# Altium PCB PROC114E3_BRD.PcbDoc (part 13 of 18) (continued)
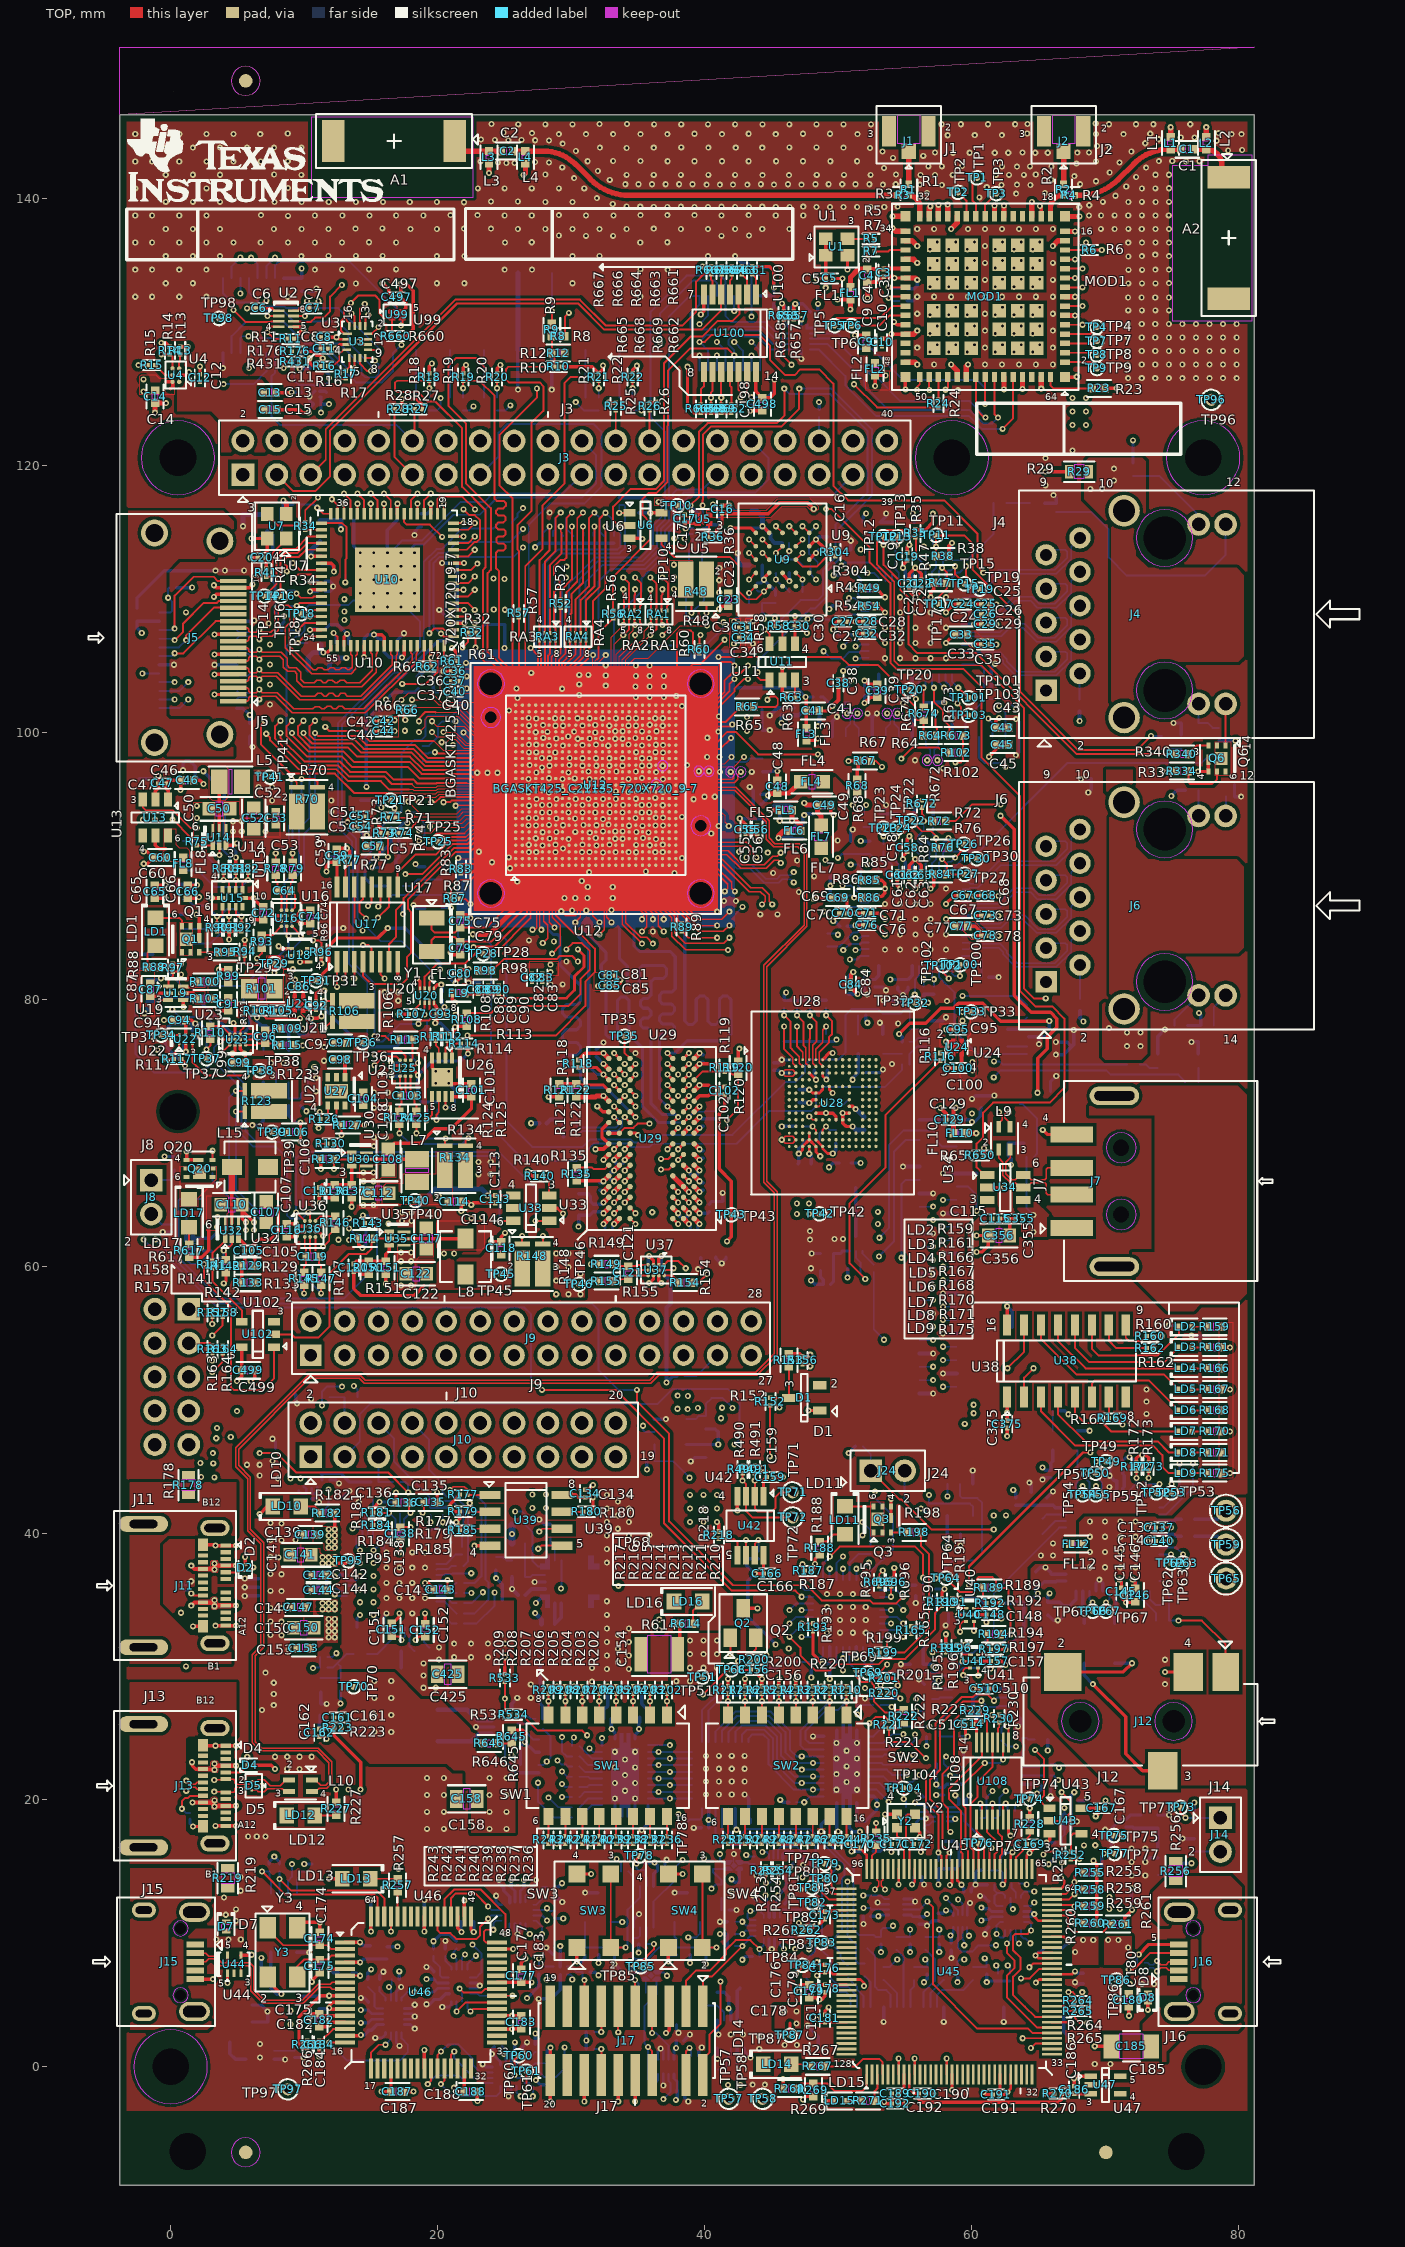
[diagram p0: TOP view]
## Nets (pads, with @x,y where several pads share a name; then routed paths per layer and width w, separated by ;. In a path a pad name is that pad's centre, name@x,y a point inside that pad or via, vN(x,y) a via of type N, cw(c..) or ccw(c..) an arc to the next point about the centre after c; other vN are vias at no path point) (continued)
  TOP w0.305: v1(49.973,132.443) 50.941,132.443
  TOP w0.381: v1(50.941,131.709) 50.941,132.443
  L06_PWR2 w0.254: 17.083,77.302 v1(17.083,78.877)
  BOTTOM w0.203: 47.919,130.315 48.12,130.315 48.509,130.704 48.509,131.535 ; 53.202,27.599 54.085,27.599
  BOTTOM w0.254: v1(20.282,81.094) 20.282,81.088 20.342,81.029 20.342,80.543 ; v1(27.319,113.877) 27.609,114.167 27.888,114.167 28.65,114.167 29.412,114.167 30.174,114.167 30.936,114.167 31.698,114.167 32.46,114.167 33.222,114.167 ; 33.618,117.6 35.443,117.6 35.941,117.102 v1(35.941,116.459) 35.058,116.459 ; 38.651,46.637 40.101,46.637 v1(41.041,46.637) 41.041,47.579 40.826,47.793 40.114,47.793 ; 43.553,115.317 44.22,115.317 v1(44.357,115.455) ; 43.955,111.199 44.223,111.199 v1(44.464,111.44) ; 44.332,112.535 44.332,111.572 v1(44.464,111.44) ; 45.332,110.266 45.332,110.572 v1(44.464,111.44) ; v1(45.8,70.472) 46.852,70.472 ; 45.975,76.835 46.94,76.835 47.906,76.835 49.125,76.835 49.762,76.835 v1(49.9,76.972) ; v1(46.128,80.503) 45.975,80.35 45.975,79.92 46.94,79.92 47.906,79.92 49.125,79.92 ; 47.02,67.678 47.075,67.732 v1(47.075,68.433) 47.075,68.509 47.075,68.806 47.653,69.383 ; v1(48.357,114.455) 48.566,114.664 49.235,114.664 ; 48.509,131.535 v1(48.509,132.118) ; v1(49.138,73.975) 49.211,74.048 49.211,74.702 ; v1(49.341,67.411) 49.665,67.734 50.094,67.734 ; 54.085,27.599 v1(54.675,27.599) ; v1(56.236,41.834) 56.425,41.644 56.841,41.644 ; v1(58.213,39.069) 58.213,39.918 58.213,41.293 ; v1(63.144,43.231) 63.336,43.039 63.336,42.632
  BOTTOM w0.305: v1(44.357,115.455) 44.943,114.869 44.943,114.539 45.27,114.212 45.797,114.212
  BOTTOM w0.381: 43.544,116.585 43.954,116.585 44.357,116.182 v1(44.357,115.455)
  other v1: 7.609,94.892 6.593,95.908 7.609,95.908 6.593,96.924
VCC_1V8_AUD:  | length 3.8
  BOTTOM w0.254: 63.336,42.072 64.505,42.072 65.648,42.072 66.131,42.072 66.301,41.902 67.1,41.902
VCC_1V8_FT4232:  | length 34.3
  TOP w0.254: v1(10.428,3.726) 10.682,3.98 11.129,3.98 11.286,3.823 13.059,3.823 ; v1(15.009,10.142) 15.009,11.273 ; 22.509,11.273 22.509,10.299 v1(22.716,10.092) ; 24.459,3.823 v1(25.589,3.823) 26.288,3.823
  L06_PWR2 w0.381: v1(10.428,3.726) 10.428,5.09 11.19,5.852 11.19,8.697 12.635,10.142 v1(15.009,10.142) 16.053,11.186 21.622,11.186 v1(22.716,10.092) 24.754,8.055 24.754,4.659 v1(25.589,3.823)
  BOTTOM w0.254: v1(15.009,10.142) 15.009,10.854 ; v1(22.716,10.092) 22.716,10.874
VCC_3V3_AUD:  | length 22.3
  TOP w0.254: 71.256,35.334 71.256,35.142 v1(71.601,34.797) 72.231,34.797 72.299,34.865
  BOTTOM w0.254: v1(54.936,36.078) 55.837,36.078 ; 56.397,31.539 56.397,30.167 57.004,30.167 v1(57.189,29.982) ; 64.505,34.834 64.505,34.989 v1(64.987,35.471) 64.835,35.624 64.835,36.132 65.26,36.132 65.47,36.342 65.978,36.342 66.35,36.342 66.41,36.402 67.1,36.402 ; v1(65.343,44.917) 65.558,44.702 65.965,44.702 65.965,45.235 66.107,45.377 66.107,46.212 ; v1(65.876,35.476) 65.724,35.324 65.724,34.816 66.631,34.816 66.892,34.555 67.375,34.555 67.851,35.03 67.851,35.651 ; 66.667,49.157 67.021,49.157 v1(67.273,48.905) ; 71.351,35.651 71.351,35.047 v1(71.601,34.797) 71.851,35.047 71.851,35.651 ; 71.351,42.652 71.351,43.343 71.478,43.47 71.478,43.927 71.478,44.307 71.351,44.434 71.351,44.943 71.351,45.438 71.605,45.692 v1(71.862,45.692) 71.935,45.692 72.379,45.248 73.293,45.248
VCC_3V3_FB:  | length 4.1
  BOTTOM w0.147: 26.564,39.228 26.564,37.958 26.564,36.688 26.963,36.688 27.133,36.857 28.06,36.857
VCC_3V3_FT4232:  | length 24.7
  TOP w0.254: v1(11.876,14.089) 12.849,14.089 ; v1(15.798,-1.862) 16.509,-1.862 16.509,-0.127 ; v1(19.009,10.142) 19.009,11.273 ; v1(21.223,-1.565) 21.52,-1.862 22.009,-1.862 22.009,-0.127 ; 22.009,11.273 v1(22.009,12.454) ; 24.459,6.323 26.288,6.323 v1(27.037,6.323)
  BOTTOM w0.203: 14.797,3.288 15.079,3.57 15.902,3.57 ; 19.724,5.599 20.007,5.881 20.83,5.881 ; v1(24.982,0.95) 25.112,0.82 25.112,0.175 ; 25.516,13.447 25.798,13.165 25.798,12.341
  BOTTOM w0.254: v1(6.796,8.164) 6.796,7.123 7.05,6.869 7.504,6.869 7.504,8.573 ; 7.392,15.197 7.392,15.376 v1(7.761,15.745) 8.154,15.353 8.154,15.197 ; v1(10.009,15.197) 10.561,15.197 ; v1(14.251,3.288) 14.797,3.288 ; 16.217,8.999 v1(17.007,8.999) ; v1(19.009,10.142) 19.009,10.854 ; v1(19.178,5.599) 19.724,5.599 ; 24.83,1.496 24.982,1.344 v1(24.982,0.95) ; 25.516,13.447 v1(25.516,13.993)
  other v1: 8.98,3.185 8.98,4.201
VCC_3V3_SYS:  | length 397.3
  TOP w0.203: 6.913,131.783 7.608,131.783 7.777,131.613 8.103,131.613 ; 11.807,128.755 v1(12.341,128.755) 12.657,129.072 13.194,129.072 ; v1(47.86,73.222) 48.11,72.972 48.36,72.972 48.614,72.972 48.86,73.219 48.86,73.472
  TOP w0.254: -0.765,82.392 -0.516,82.641 0.168,82.641 v1(0.762,82.641) ; -0.193,94.965 -0.193,95.645 -0.367,95.818 -0.367,96.175 -0.138,96.403 0.743,96.403 v1(0.743,95.692) ; 0.78,75.518 1.076,75.222 v1(1.076,75.03) ; 1.135,77.314 1.135,78.44 1.588,78.44 1.842,78.186 v1(1.842,78.179) ; 1.389,60.662 2.323,60.662 2.855,61.195 2.855,62.929 ; v1(3.976,58.709) 4.145,58.878 4.145,59.501 ; 4.632,75.231 v1(4.632,75.93) 4.822,76.12 4.822,76.585 ; v1(4.708,78.216) 4.822,78.101 4.822,77.385 ; v1(4.972,51.381) 5.332,51.741 5.332,52.197 5.332,53.931 ; v1(6.047,114.533) 7.227,114.533 7.227,113.598 7.114,113.485 7.114,113.091 7.177,113.027 7.177,112.253 ; 6.913,131.783 6.913,132.116 v1(7.168,132.371) ; v1(8.091,83.972) 8.267,83.797 8.976,83.797 ; 8.301,85.869 7.987,85.869 v1(7.759,86.097) 7.931,86.269 8.301,86.269 ; 8.697,63.179 v1(9.395,63.179) 9.586,62.988 10.05,62.988 ; 9.101,85.869 9.565,85.869 v1(9.756,85.678) 10.454,85.678 ; 9.632,128.551 10.635,128.551 10.939,128.247 11.172,128.247 11.386,128.034 v1(11.396,128.034) ; 9.942,79.238 10.893,79.238 ; v1(10.53,78.572) 11.038,78.572 11.193,78.727 v1(11.307,78.727) ; 10.85,62.988 11.237,62.988 v1(11.427,63.179) ; v1(11.259,67.282) 11.259,68.006 ; v1(11.292,82.672) 11.292,83.237 ; v1(11.673,89.571) 11.673,90.008 11.927,90.262 12.462,90.262 12.462,88.415 ; v1(12.617,126.552) 13.12,126.552 ; 13.788,70.571 v1(14.517,70.571) ; 14.078,62.062 14.078,61.651 v1(14.365,61.364) ; 15.735,92.46 15.735,92.874 15.61,93 v1(15.61,93.431) 15.806,93.628 16.295,93.628 ; 16.321,68.806 16.74,69.225 18.708,69.225 19.775,70.292 21.045,70.292 22.544,71.791 22.544,72.698 22.536,72.705 21.092,72.705 ; v1(16.536,75.226) 16.726,75.035 17.191,75.035 ; 17.138,129.709 17.695,129.709 18.186,130.2 18.186,133.104 17.691,133.599 v1(17.234,133.599) 17.234,132.609 17.246,132.609 17.573,132.282 17.573,132.269 17.616,132.226 17.616,131.796 17.358,131.537 ; 17.991,74.635 18.252,74.635 18.525,74.362 v1(18.525,74.311) ; 19.735,79.812 19.735,79.629 19.902,79.461 19.902,79.387 19.959,79.33 19.959,78.883 19.959,78.35 v1(19.826,78.217) ; v1(22.28,75.926) 22.28,76.686 ; v1(23.763,65.298) 24.336,65.298 25.664,65.298 ; 36.583,60.1 36.583,60.565 v1(36.774,60.755) ; v1(37.123,2.525) 37.352,2.753 37.352,4.544 ; 38.015,30.922 38.157,31.064 38.157,33.208 ; v1(38.733,127.406) 38.733,124.442 39.203,123.973 39.736,123.973 40.498,123.973 41.26,123.973 42.022,123.973 ; v1(39.863,134.916) 40.526,134.916 41.288,134.916 42.05,134.916 ; v1(40.946,40.828) 41.089,40.685 41.089,40.122 ; 42.862,45.047 43.776,45.047 44.202,45.047 v1(44.383,44.867) 44.655,44.595 44.655,44.189 44.426,43.961 44.426,42.745 ; 43.574,134.916 44.909,134.916 45.212,134.614 v1(45.212,133.333) ; 43.86,127.021 43.86,125.568 43.872,125.556 43.872,125.518 44.313,125.076 44.351,125.076 44.933,125.076 45.242,125.386 v1(45.242,126.452) ; 44.032,30.51 44.302,30.51 v1(44.653,30.861) ; 44.611,14.984 45.526,14.984 v1(46.443,14.984) ; v1(45.809,132.143) 45.938,132.014 45.938,131.518 ; 46.79,106.632 46.79,107.96 v1(46.79,108.733) ; 48.062,37.159 48.285,37.382 v1(48.285,37.694) 48.285,38.018 48.642,38.375 ; 48.142,32.662 48.142,30.916 v1(48.845,30.212) ; 50.86,71.472 v1(50.36,71.472) 50.36,70.972 50.36,70.723 50.614,70.469 v1(51.11,70.469) ; v1(51.318,85.546) 51.902,85.546 ; v1(51.318,107.39) 51.902,107.39 ; v1(52.795,125.969) 52.795,126.753 v1(53.583,126.753) ; 53.992,36.577 54.229,36.813 v1(54.229,37.389) ; v1(54.89,90.501) 54.89,90.743 55.208,91.06 ; v1(54.89,112.345) 54.89,112.587 55.208,112.904 ; 55.503,33.004 v1(56.018,33.004) ; v1(55.62,94.568) 55.978,94.926 56.302,94.926 ; v1(58.293,92.083) 58.346,92.03 58.346,91.346 ; 58.571,35.107 v1(59.191,35.107) ; 58.9,31.627 v1(59.52,31.627) ; 60.192,33.862 61.132,33.862 v1(61.132,33.316) ; 60.521,30.382 61.461,30.382 v1(61.461,29.836) ; 60.961,68.301 v1(60.961,68.833) ; 61.692,34.751 v1(62.25,34.751) ; 62.02,31.271 v1(62.579,31.271) ; 62.688,48.428 v1(62.688,49.037) 62.688,50.193 ; v1(74.344,97.106) 75.295,97.106 ; 78.736,44.486 v1(79.396,44.486) ; 78.736,47.61 v1(79.396,47.61) ; 78.736,50.759 v1(79.396,50.759) ; 78.736,53.909 v1(79.396,53.909)
  TOP w0.305: 50.037,103.974 50.892,103.974 v1(50.984,103.882) ; 50.984,81.367 50.984,81.866 v1(51.156,82.038) ; 58.346,113.19 58.346,113.98 v1(58.555,114.189) ; 58.67,70.975 58.67,71.701 v1(58.839,71.869)
  TOP w0.381: 58.67,69.959 58.67,70.975
  L03_SIG1 w0.254: v1(47.86,73.222) 48.61,73.222 v1(50.36,71.472) 50.36,71.219 v1(51.11,70.469)
  L06_PWR2 w0.254: v1(-0.458,68.222) -0.08,67.843 1.448,67.843 3.468,69.864 3.468,73.095 1.534,75.03 v1(1.076,75.03) ; v1(3.976,58.709) 3.976,55.351 4.972,54.355 v1(4.972,51.381) ; v1(50.36,71.472) 50.535,71.647 50.535,81.589 v1@50.984,82.038 ; v1(52.12,94.568) 51.715,94.164 v1(51.715,91.858) ; v1(53.938,81.48) 51.539,81.48 51.156,81.863 v1(51.156,82.038) v1@50.984,82.038 ; v1(54.89,90.501) 53.072,90.501 v1(51.715,91.858) ; v1(61.132,33.316) 61.132,33.632 v1(62.25,34.751) ; v1@50.984,82.038 50.345,82.038 49.874,82.509 49.874,83.957 51.318,85.401 v1(51.318,85.546) 49.437,87.427 v1(49.437,88.517) 49.437,89.261 50.712,90.536 50.712,90.855 v1(51.715,91.858)
  L06_PWR2 w0.381: v1(38.733,127.406) 39.24,126.898 44.795,126.898 v1(45.242,126.452)
  L08_SIG2 w0.254: v1(7.759,86.097) 9.337,86.097 v1(9.756,85.678)
  L08_SIG2 w0.508: v1(39.968,15.606) 39.968,16.774 41.852,18.658 47.77,18.658 48.746,19.634 v1(52.934,19.634)
  BOTTOM w0.203: 9.59,43.165 9.797,42.957 10.172,42.957 10.172,43.294 9.971,43.495 ; 14.797,4.252 15.079,3.97 15.902,3.97 ; 19.724,6.563 20.007,6.281 20.83,6.281 ; 26.198,12.341 26.198,13.165 26.48,13.447 ; 37.72,-0.538 37.72,-0.866 37.965,-1.111 37.965,-1.742 ; 45.876,14.762 45.876,14.306 46.138,14.044 46.138,13.764 ; 46.029,131.535 46.029,130.678 46.393,130.315 46.619,130.315 ; v1(53.035,11.276) 53.139,11.38 53.821,11.38 ; v1(58.104,11.72) 58.129,11.694 58.459,11.694 58.646,11.508 58.646,11.307 ; 61.304,11.846 61.51,11.64 62.333,11.64
  BOTTOM w0.254: v1(-0.458,68.222) 0.278,68.222 ; 0.446,110.856 v1(1.614,110.856) ; v1(1.076,75.03) -0.398,76.505 -0.398,77.732 0.048,78.179 v1(1.842,78.179) ; 1.622,77.62 1.622,77.959 v1(1.842,78.179) ; 1.666,62.092 2.499,62.092 2.502,62.095 3.048,62.095 3.486,62.534 v1(3.486,62.935) ; 2.845,77.547 2.213,78.179 v1(1.842,78.179) ; 4.944,101.821 5.416,101.821 v1(5.924,101.313) v1(5.924,101.313) 5.923,100.679 ; v1(6.047,114.533) 6.694,114.533 7.296,115.136 7.296,115.174 7.665,114.805 7.665,113.791 ; 8.471,134.044 9.817,134.044 v1(9.817,134.773) ; 8.846,76.177 8.846,77.684 9.31,77.684 9.666,77.328 10.276,77.328 10.53,77.582 v1(10.53,78.572) ; 9.76,72.017 v1(10.168,71.609) ; 11.317,126.426 11.186,126.295 11.186,125.971 11.573,125.971 11.774,126.172 ; v1(11.396,128.034) 11.396,127.264 11.864,126.796 v1(11.864,126.568) ; v1(14.251,4.252) 14.797,4.252 ; v1(14.365,61.364) 14.638,61.637 14.638,62.418 14.638,63.18 ; 14.784,6.539 14.784,7.059 v1(15.025,7.3) ; v1(16.536,75.226) 17.245,75.226 ; 17.129,6.572 v1(17.129,7.152) ; v1(19.178,6.563) 19.724,6.563 ; 19.699,8.85 v1(19.699,9.409) 20.232,9.942 20.893,9.942 21.418,9.416 21.418,9.406 ; v1(19.826,78.217) 20.258,78.217 22.28,76.195 v1(22.28,75.926) 21.725,75.372 19.586,75.372 v1(18.525,74.311) 18.525,72.634 18.86,72.299 19.233,72.299 19.995,72.299 ; 24.373,37.224 24.373,36.635 v1(24.393,36.615) 24.841,36.167 24.841,35.007 ; 25.512,0.175 25.512,0.998 25.794,1.28 v1(25.794,1.826) ; 26.48,13.447 v1(26.48,13.993) ; v1(26.709,5.141) 27.598,6.03 27.598,6.939 ; 27.332,1.675 v1(27.332,2.487) ; v1(27.37,-1.006) 27.7,-1.337 28.005,-1.337 ; v1(27.37,34.757) 27.794,35.182 28.235,35.182 ; 28.767,13.472 29.046,13.472 v1(29.328,13.754) ; 28.8,11.115 v1(29.423,11.115) ; 29.199,7.498 29.199,8.443 v1(29.199,9.04) ; 31.153,1.331 v1(31.153,1.966) 31.153,2.6 ; 31.435,7.097 31.832,7.097 v1(32.069,6.86) ; v1(32.069,7.775) 32.069,8.384 ; 32.325,24.104 v1(32.325,24.625) ; 33.034,26.071 v1(33.034,25.309) 33.3,25.043 33.3,24.579 ; v1(34.477,7.688) 34.477,7.078 35.616,7.078 ; v1(35.072,8.55) 35.072,9.198 ; 35.531,15.301 v1(36.26,15.301) 36.487,15.074 36.487,14.723 36.183,14.419 36.183,13.541 ; v1(35.692,44.756) 35.692,45.38 ; 36.774,60.057 v1(36.774,60.755) ; v1(37.123,2.525) 37.352,2.753 37.352,3.159 ; v1(37.16,51.283) 37.628,51.75 37.936,51.75 ; 37.72,0.561 37.72,1.244 v1(37.884,1.408) 37.884,1.954 ; v1(37.86,-2.479) 37.965,-2.374 37.965,-1.742 ; v1(38.927,7.775) 38.927,8.384 ; 39.914,115.284 40.1,115.284 40.38,115.564 41.135,115.564 41.135,116.599 v1(40.64,117.094) ; v1(39.968,15.606) 40.177,15.397 40.646,15.397 ; v1(41.166,9.952) 41.725,9.952 41.725,9.038 ; v1(42.043,14.056) 42.271,13.828 42.6,13.828 42.6,14.837 ; v1(42.843,8.022) 43.086,8.265 43.574,8.265 ; 44.185,132.721 45.212,132.721 v1(45.212,133.333) 45.212,134.588 44.958,134.842 44.297,134.842 ; v1(44.566,12.85) 44.642,12.774 44.642,12.228 44.848,12.022 44.848,11.198 ; 44.754,124.359 44.754,125.121 45.242,125.609 v1(45.242,126.452) ; 45.248,11.198 45.248,12.022 45.454,12.228 45.454,12.774 v1(45.53,12.85) 46.138,13.457 46.138,13.764 ; v1(45.809,132.143) 46.029,131.923 46.029,131.535 ; 45.876,15.612 45.876,15.925 46.064,16.114 46.623,16.114 46.823,15.913 46.823,15.67 46.823,15.365 v1(46.443,14.984) ; v1(48.011,29.17) 48.011,29.779 ; v1(48.845,30.212) 49.392,30.212 49.392,31.472 ; v1(49.366,109.256) 49.595,109.485 49.949,109.485 ; 49.529,87.768 49.437,87.86 v1(49.437,88.517) 49.437,89.174 49.529,89.266 ; v1(49.68,111.778) 50.382,111.778 ; 50.706,85.482 51.254,85.482 v1(51.318,85.546) 51.526,85.753 52.316,85.753 ; 50.706,107.326 51.254,107.326 v1(51.318,107.39) 51.526,107.597 52.316,107.597 ; v1(50.811,45.988) 51.322,46.499 ; 50.839,81.378 50.839,81.784 51.093,82.038 v1(51.156,82.038) ; 50.839,103.222 50.839,103.738 v1(50.984,103.882) ; v1(51.262,28.197) 51.421,28.038 51.421,27.67 ; v1(51.392,30.621) 51.392,31.472 ; 51.412,19.79 51.412,18.412 51.424,18.4 52.059,18.4 52.934,19.275 v1(52.934,19.634) 52.934,20.011 52.68,20.265 52.386,20.265 ; v1(51.715,91.858) 52.414,91.858 ; v1(51.715,113.702) 52.414,113.702 ; 51.906,93.908 51.906,94.354 v1(52.12,94.568) ; 51.906,115.752 51.906,116.198 v1(52.12,116.412) ; 52.476,11.276 v1(53.035,11.276) ; v1(53.938,81.48) 54.497,81.48 55.259,81.48 55.567,81.787 55.567,82.503 ; v1(53.938,103.324) 54.497,103.324 55.259,103.324 55.567,103.631 55.567,104.347 ; 55.066,89.503 55.066,90.325 v1(54.89,90.501) 54.89,90.743 55.208,91.06 ; 55.066,111.347 55.066,112.169 v1(54.89,112.345) 54.89,112.587 55.208,112.904 ; v1(55.62,94.568) 55.716,94.473 55.716,93.908 ; v1(55.62,116.412) 55.716,116.317 55.716,115.752 ; 56.435,102.23 57.197,102.23 ; v1(56.439,92.083) 56.859,91.663 56.859,91.62 ; v1(56.773,79.742) 56.435,80.079 56.435,80.386 57.197,80.386 ; 57.532,11.516 57.901,11.516 v1(58.104,11.72) ; 57.875,91.62 57.875,91.665 v1(58.293,92.083) ; 57.875,113.464 58.301,113.464 58.555,113.718 v1(58.555,114.189) ; v1(59.191,35.107) 60.573,35.107 61.132,34.549 v1(61.132,33.316) ; v1(60.758,11.922) 60.834,11.846 61.304,11.846 ; v1(62.25,34.751) 63.254,34.751 63.336,34.834 63.945,34.834 63.945,32.637 v1(62.579,31.271) ; v1(63.34,100.992) 63.58,100.753 63.58,99.675 63.58,98.536 v1(63.342,98.298) ; v1(65.8,15.174) 66.25,15.624 66.25,16.031 ; 67.458,18.766 67.458,19.943 67.458,20.315 v1(67.716,20.574) ; 72.126,120.208 v1(72.126,121.893) ; v1(74.995,95.235) 75.417,95.657 76.057,95.657 ; 76.215,78.04 77.193,78.04 77.193,78.839 v1(77.064,78.969) ; 78.576,99.368 v1(79.807,99.368)
  BOTTOM w0.305: 36.774,60.057 36.774,59.592 37.479,58.887 37.479,57.211 37.16,56.892 v1(37.16,51.283) ; 47.144,73.23 47.853,73.23 v1(47.86,73.222) ; 57.197,102.23 v1(57.975,102.23) ; v1(68.122,100.864) 68.122,101.565 ; 68.147,79.113 68.147,78.587 v1(68.404,78.33)
  BOTTOM w0.381: v1(18.048,64.018) 19.801,65.771 23.331,65.771 23.763,65.339 v1(23.763,65.298) ; v1(51.11,70.469) 51.363,70.216 51.951,70.216
  BOTTOM w0.508: 25.584,39.228 v1(25.584,39.926) 25.584,40.625
  other v1: 37.898,28.89 38.914,28.89 38.914,29.906 39.93,29.906 40.946,29.906 38.914,30.922 39.93,30.922 40.946,30.922 38.914,31.938 39.93,31.938 40.946,31.938 38.914,40.828 39.93,40.828 38.914,41.844 39.93,41.844 40.946,41.844 38.914,42.86 39.93,42.86 40.946,42.86 8.98,44.079 9.732,44.079 52.998,63.155 17.337,63.383 18.048,63.383 3.519,63.676 17.337,64.018 52.998,64.069 15.229,68.997 15.229,69.657 16.143,69.657 16.27,70.952 15.254,71.867 16.27,71.867 1.965,93.584 1.965,94.498 41.111,110.489 41.111,111.403 41.111,112.318
VCC_3V3_SYS_PG:  | length 181.5
  TOP w0.147: v1(0.141,93.482) 1.522,92.101 1.97,92.101 ; v1(11.165,71.562) 11.215,71.512 11.215,71.005
  L03_SIG1 w0.091: v1(0.141,93.482) -1.162,92.179 -1.162,76.396 v1(-0.977,76.21) -2.341,74.846 -2.341,69.215 -0.344,67.218 -0.344,63.38 -1.53,62.194 -1.53,61.463 -2.354,60.639 -2.354,44.193 0.781,41.058 v1(0.781,34.027)
  L08_SIG2 w0.091: v1(-0.977,76.21) 0.039,76.21 0.573,75.677 2.603,75.677 4.457,73.823 5.602,73.823 7.316,72.108 10.618,72.108 v1(11.165,71.562) ; v1(0.781,34.027) 4.893,34.027 7.173,36.307 8.853,36.307 9.691,37.145 12.79,37.145 13.324,37.678 13.324,38.755 14.025,39.456 20.613,39.456 21.579,40.422 22.722,40.422 23.915,41.615 v1(25.82,41.615) 25.82,40.93 23.012,38.122 23.012,36.728 22.098,35.814 22.098,35.357 22.377,35.077 23.647,35.077 23.876,35.306 23.876,36.678 25.019,37.821 27.711,37.821 29.184,39.294 34.519,39.294 35.041,39.816 35.041,43.264 38.992,47.215 47.686,47.215 52.214,42.687 53.254,42.687 53.696,43.129 53.696,54.254 v1(53.467,54.483)
  BOTTOM w0.147: v1(25.82,41.615) 26.303,41.615 26.564,41.354 26.564,40.625 27.121,40.069 27.121,37.902 27.54,37.482 28.235,37.482 ; 52.694,59.547 52.694,55.256 v1(53.467,54.483)
VCC_5V0:  | length 38.3
  TOP w0.254: v1(-2.414,127.529) -1.702,127.529 ; -1.535,80.241 -1.06,80.241 -0.85,80.452 -0.205,80.452 ; -0.342,126.274 0.135,126.274 0.14,126.279 0.14,125.917 -0.011,125.766 ; 0.711,128.901 v1(1.309,128.901) ; v1(60.401,61.063) 60.811,61.063 61.284,61.536 61.284,62.297 v1(60.401,62.297)
  BOTTOM w0.254: v1(-2.17,107.452) -2.52,107.802 -2.52,108.322 -0.855,108.322 ; v1(-1.955,78.956) -1.754,79.157 -1.754,79.858 -0.961,79.858 -0.672,80.147 1.895,80.147 4.537,77.505 5.499,77.505 5.932,77.937 5.932,78.877 6.339,79.284 11.521,79.284 14.351,76.454 16.9,76.454 17.66,77.213 17.66,77.252 ; 13.406,25.361 14.233,25.361 ; 17.279,29.881 17.279,31.151 ; v1(25.171,21.641) 25.578,22.047 27.58,22.047
  other v1: 23.901,17.831 25.171,17.831 23.901,19.101 25.171,19.101 23.901,20.371 25.171,20.371 23.901,21.641 15.265,25.095 16.535,25.095 15.265,26.365 16.535,26.365 15.265,27.635 16.535,27.635 15.265,28.905 16.535,28.905 -2.043,125.55 -2.043,126.464
VCC_5V0_EN:  | length 3.3
  TOP w0.147: 25.049,28.854 v1(25.049,27.584) 25.049,26.762 25.425,26.386
  BOTTOM w0.147: 25.049,26.866 v1(25.049,27.584)
VCC_5V0_FB:  | length 2.7
  TOP w0.147: 24.359,24.232 25.549,24.232 v1(25.549,23.372)
  BOTTOM w0.147: v1(25.549,23.372) 25.549,24.065
VCC_5V0_HDMICONN:  | length 3.1
  TOP w0.254: v1(3.235,111.028) 3.417,110.847 4.69,110.847 5.896,110.847 v1(6.146,111.097)
VCC_5V0_PG:  | length 43.6
  L03_SIG1 w0.091: v1(28.183,6.537) 28.183,6.843 31.319,9.98 31.319,12.672 33.052,14.404 33.052,19.272 30.81,21.514 30.81,22.073 30.373,22.509 ; v1(28.184,22.87) 28.545,22.509 30.373,22.509 ; v1(29.249,35.85) 29.249,30.316 27.864,28.931 27.864,26.975 29.413,25.425 30.074,25.425 30.81,24.689 30.81,22.946 30.373,22.509
  BOTTOM w0.147: 27.58,22.607 27.92,22.607 v1(28.184,22.87) 28.47,23.156 28.47,24.752 27.902,25.319 27.889,25.319 ; v1(28.183,6.537) 28.208,6.537 28.225,6.521 28.551,6.521 28.699,6.668 28.699,6.898 ; v1(29.249,35.85) 29.285,35.885 29.285,37.932
VCC_CORE:  | length 8.3
  TOP w0.254: 14.863,59.388 14.352,59.388 14.136,59.603 13.71,59.603 13.71,58.324 14.233,57.801 18.241,57.801 18.977,58.537
VCC_SDIO: 
VDD_0V85_PG:  | length 94.9
  TOP w0.147: 4.145,60.481 4.145,61 v1(3.976,61.169) 4.274,61.466 4.438,61.466 4.585,61.614 4.585,62.099
  L03_SIG1 w0.091: v1(45.626,49.407) 46.279,48.754 46.279,46.279 45.06,45.06 45.06,42.291 42.697,39.929 42.697,39.014 46.939,34.773 47.566,34.773 48.057,34.282 48.057,32.207 48.743,31.521 51.257,31.521 52.019,30.759 52.019,30.429 54.04,28.409 v1(54.04,26.96)
  L08_SIG2 w0.091: v1(3.976,61.169) 5.023,61.169 6.185,60.007 6.185,55.514 10.627,51.072 11.687,51.072 12.625,50.135 33.153,50.135 34.827,48.46 34.827,47.801 35.189,47.439 37.848,47.439 38.402,47.993 44.212,47.993 v1(45.626,49.407)
  BOTTOM w0.147: 1.666,61.312 1.666,60.876 1.971,60.572 3.829,60.572 3.976,60.719 v1(3.976,61.169) 4.61,61.803 4.61,64.937 3.144,66.403 3.144,66.988 ; 53.202,27.1 53.9,27.1 v1(54.04,26.96)
VDD_1V0:  | length 25.4
  TOP w0.254: 50.491,87.615 50.691,87.415 50.691,86.46 v1(51.318,86.46) 51.902,86.46 ; 50.691,108.304 v1(51.318,108.304) 51.902,108.304 ; v1(52,103.882) 52.283,103.599 52.948,103.599 ; 54.446,89.591 55.361,89.591 55.361,90.057 v1(55.805,90.501) 56.25,90.056 56.25,89.591 ; 55.361,111.435 55.361,111.901 v1(55.805,112.345) 56.25,111.9 56.25,111.435 ; v1(59.346,79.055) 59.985,79.055 ; v1(60.206,86.253) 60.764,86.253 ; v1(60.206,108.097) 60.764,108.097 60.77,108.103 60.77,108.849
  L08_SIG2 w0.254: v1(59.346,78.395) v1(59.346,79.055)
  BOTTOM w0.254: v1(51.318,86.46) 51.526,86.253 52.316,86.253 ; v1(51.318,108.304) 51.526,108.097 52.316,108.097 ; v1(52,82.038) 52,81.48 52.762,81.48 53.066,81.784 53.066,82.503 ; v1(52,103.882) 52,103.324 52.762,103.324 53.066,103.628 53.066,104.347 ; 55.567,89.503 55.567,90.263 v1(55.805,90.501) ; 55.567,111.347 55.567,112.107 v1(55.805,112.345) ; 59.317,86.253 v1(60.206,86.253) 60.764,86.253 ; 59.317,108.097 v1(60.206,108.097) 60.764,108.097
VDD_1V2:  | length 41.7
  L06_PWR2 w0.381: v1(13.157,105.591) 12.636,105.591 11.622,106.606 11.622,113.234 12.752,114.365 v1(12.752,115.225) 13.352,115.824 18.796,115.824 19.024,116.053 20.268,116.053 21.553,117.338 24.197,117.338 24.498,117.639 30.467,117.639 30.824,117.282 v1(36.579,117.282)
  BOTTOM w0.381: 11.18,115.898 12.752,115.898 v1(12.752,115.225) ; v1(13.157,105.591) 12.295,105.591 11.914,105.21 11.914,104.699 13.479,104.699
VDD_2V5:  | length 33
  TOP w0.254: 40.915,114.629 40.915,115.182 41.322,115.589 41.322,116.435 41.717,116.435 41.772,116.38 44.781,116.38 45.632,117.231 47.715,117.231 v1(48.198,116.749) ; v1(47.844,63.917) 48.632,63.917 ; 59.291,75.968 59.291,75 59.318,74.973 59.318,74.846 ; 59.647,87.753 v1(60.206,87.753) 60.764,87.753 ; 59.647,109.597 v1(60.206,109.597) 60.764,109.597 ; 59.744,85.463 60.306,85.463 60.764,85.005 60.764,84.753 v1(60.206,84.753) ; v1(60.206,106.597) 60.764,106.597
  L08_SIG2 w0.254: v1(46.93,63.917) 47.233,63.614 47.233,59.675 47.981,58.926 v1(47.991,58.926) 50.502,58.926 v1(50.73,59.154)
  BOTTOM w0.254: v1(47.991,58.926) 48.258,58.659 48.908,58.659 48.908,58.982 48.698,59.192 48.698,59.675 ; v1(50.73,59.154) 50.73,59.802 ; 59.317,84.753 v1(60.206,84.753) 60.764,84.753 ; 59.317,87.753 v1(60.206,87.753) 60.764,87.753 ; 59.317,106.597 v1(60.206,106.597) 60.764,106.597 ; 59.317,109.597 v1(60.206,109.597) 60.764,109.597
  other v1: 46.93,64.704 47.844,64.704 60.085,74.661 60.085,75.296
VDD_2V5_FB:  | length 3.6
  BOTTOM w0.254: 49.468,58.659 49.678,58.869 49.678,59.675 49.678,60.945 50.189,60.945 50.382,61.138 50.847,61.138
VDD_CANUART:  | length 24.4
  TOP w0.203: v1(28.36,93.073) 28.36,93.545
  L06_PWR2 w0.081: 27.446,92.593 27.927,93.073 v1(28.36,93.073)
  L06_PWR2 w0.203: 23.217,96.009 26.633,92.593 27.446,92.593
  L06_PWR2 w0.254: v1(14.695,92.288) 13.501,92.288 12.765,93.025 12.765,95.514 13.933,96.683 22.544,96.683 23.217,96.009
  BOTTOM w0.254: 14.254,93.232 14.254,92.542 14.508,92.288 v1(14.695,92.288)
VDD_CORE:  | length 17.1
  TOP w0.152: v1(30.36,95.016) 30.86,95.516 30.86,95.545 ; 30.36,98.045 30.36,97.985 30.824,97.521 30.842,97.521 v1(30.86,97.503) ; v1(33.361,95.016) 33.408,95.063 33.444,95.063 33.86,95.48 33.86,95.545 ; v1(33.86,97.503) 33.876,97.503 34.36,97.987 34.36,98.045
  TOP w0.203: v1(28.903,93.545) 29.361,93.545 ; 29.86,95.045 29.874,95.032 30.345,95.032 v1(30.36,95.016) ; 29.86,96.545 29.875,96.53 30.232,96.53 30.263,96.561 v1(30.283,96.561) ; 30.86,97.045 v1(30.86,97.503) 30.903,97.545 31.361,97.545 ; v1(31.318,95.016) 31.832,95.016 31.86,95.045 ; v1(31.817,94.002) 31.86,93.959 31.86,93.545 ; 31.86,96.045 31.86,96.049 32.316,96.505 v1(32.357,96.505) 32.397,96.545 32.86,96.545 ; v1(31.884,98.062) 31.9,98.045 32.36,98.045 ; 32.86,95.045 32.889,95.016 v1(33.361,95.016) ; v1@33.876,97.503 33.902,97.503 34.36,97.045 ; 34.36,93.545 34.792,93.545 v1(34.835,93.588)
  TOP w0.254: 21.718,82.211 22.241,82.211 22.294,82.264 v1(22.321,82.264) ; v1@28.792,57.795 v1(28.894,57.897) ; 43.081,92.42 43.97,92.42 v1(43.97,91.861)
  BOTTOM w0.254: 14.254,94.931 15.227,94.931 v1(15.787,94.371) ; 30.009,95.072 30.304,95.072 v1(30.36,95.016) ; v1(30.283,96.561) 30.288,96.566 30.397,96.566 30.524,96.693 ; 30.522,97.581 30.782,97.581 v1(30.86,97.503) ; v1(31.318,95.016) 31.321,95.019 31.321,95.311 ; 31.64,93.747 31.64,93.781 31.817,93.959 v1(31.817,94.002) ; v1(31.884,98.062) 31.969,98.147 31.969,98.344 ; v1(33.361,95.016) 33.509,95.164 33.767,95.164 ; v1(33.86,97.503) 34.03,97.503 34.172,97.645
  BOTTOM w0.381: v1(32.357,96.505) 32.435,96.427 32.801,96.427
  other v1: 29.808,57.897 30.723,57.897 28.894,58.913 29.808,58.913 30.723,59.421 28.894,59.929 29.808,59.929 28.894,60.945 29.808,60.945 30.723,60.945 49.062,90.436 49.987,91.897 43.196,100.107 43.196,101.148
VDD_CORE_EN:  | length 28.4
  TOP w0.147: v1(14.406,63.811) 14.542,63.676 14.542,63.231
  BOTTOM w0.147: 2.456,65.02 1.186,65.02 0.693,65.02 0.573,64.9 0.573,60.68 3.693,57.56 12.984,57.56 15.449,60.025 15.449,63.173 14.81,63.811 v1(14.406,63.811)
VDD_CORE_FB:  | length 3.8
  TOP w0.254: 13.71,60.163 13.915,60.368 14.863,60.368 16.133,60.368 16.133,60.894 16.387,61.148 16.387,61.562
VDD_CORE_PG:  | length 14.6
  TOP w0.147: 7.732,54.881 9.089,54.881 9.319,54.652 11.074,54.652 11.911,55.489 11.911,59.475 13.347,60.911 14.662,60.911 15.058,61.308 15.058,62.062 16.387,62.062

## Text inside footprints (layer, text, board x,y; h text height)
R541: PIN_NUMBER "1" at 10.332,14.637 h0.25 r270; PIN_NUMBER "2" at 10.332,15.197 h0.25 r270
R542: PIN_NUMBER "2" at 7.925,15.197 h0.25 r270; PIN_NUMBER "1" at 7.925,14.637 h0.25 r270
R543: PIN_NUMBER "2" at 7.163,15.197 h0.25 r270; PIN_NUMBER "1" at 7.163,14.637 h0.25 r270
R544: PIN_NUMBER "2" at 56.387,27.432 h0.25; PIN_NUMBER "1" at 56.947,27.432 h0.25
R546: PIN_NUMBER "2" at 60.643,14.59 h0.25; PIN_NUMBER "1" at 61.203,14.59 h0.25
R550: PIN_NUMBER "1" at 34.2,14.512 h0.25; PIN_NUMBER "2" at 33.641,14.512 h0.25
R551: PIN_NUMBER "2" at 9.544,14.764 h0.25 r180; PIN_NUMBER "1" at 8.984,14.764 h0.25 r180
R552: PIN_NUMBER "2" at 69.313,14.681 h0.25 r180; PIN_NUMBER "1" at 68.333,14.681 h0.25 r180
R553: PIN_NUMBER "2" at 62.929,13.625 h0.25; PIN_NUMBER "1" at 63.489,13.625 h0.25
R554: PIN_NUMBER "1" at 61.085,13.776 h0.25 r180; PIN_NUMBER "2" at 61.645,13.776 h0.25 r180
R555: PIN_NUMBER "2" at 28.666,13.599 h0.25 r180; PIN_NUMBER "1" at 28.106,13.599 h0.25 r180
R556: PIN_NUMBER "2" at 69.313,13.411 h0.25 r180; PIN_NUMBER "1" at 68.333,13.411 h0.25 r180
R557: PIN_NUMBER "1" at 41.309,13.646 h0.25 r90; PIN_NUMBER "2" at 41.309,12.666 h0.25 r90
R558: PIN_NUMBER "1" at 28.666,12.456 h0.25; PIN_NUMBER "2" at 28.106,12.456 h0.25
R559: PIN_NUMBER "1" at 47.283,12.345 h0.25 r90; PIN_NUMBER "2" at 47.283,11.786 h0.25 r90
R560: PIN_NUMBER "2" at 69.313,12.141 h0.25 r180; PIN_NUMBER "1" at 68.333,12.141 h0.25 r180
R561: PIN_NUMBER "1" at 28.571,11.115 h0.25 r270; PIN_NUMBER "2" at 28.571,11.674 h0.25 r270
R562: PIN_NUMBER "1" at 41.623,10.994 h0.25 r180; PIN_NUMBER "2" at 42.183,10.994 h0.25 r180
R563: PIN_NUMBER "2" at 69.313,10.871 h0.25 r180; PIN_NUMBER "1" at 68.333,10.871 h0.25 r180
R564: PIN_NUMBER "2" at 41.623,9.825 h0.25; PIN_NUMBER "1" at 42.183,9.825 h0.25
R565: PIN_NUMBER "2" at 47.233,10.044 h0.25 r270; PIN_NUMBER "1" at 47.233,9.484 h0.25 r270
R566: PIN_NUMBER "2" at 57.629,9.175 h0.25 r90; PIN_NUMBER "1" at 57.629,9.735 h0.25 r90
R567: PIN_NUMBER "2" at 55.445,9.175 h0.25 r90; PIN_NUMBER "1" at 55.445,9.735 h0.25 r90
R568: PIN_NUMBER "2" at 53.26,9.175 h0.25 r90; PIN_NUMBER "1" at 53.26,9.735 h0.25 r90
R569: PIN_NUMBER "1" at 52.244,9.862 h0.25 r90; PIN_NUMBER "2" at 52.244,8.882 h0.25 r90
R570: PIN_NUMBER "1" at 56.613,9.735 h0.25 r90; PIN_NUMBER "2" at 56.613,8.755 h0.25 r90
R571: PIN_NUMBER "1" at 54.429,9.735 h0.25 r90; PIN_NUMBER "2" at 54.429,8.755 h0.25 r90
R572: PIN_NUMBER "2" at 34.971,9.071 h0.25; PIN_NUMBER "1" at 35.531,9.071 h0.25
R573: PIN_NUMBER "1" at 21.444,9.406 h0.25 r90; PIN_NUMBER "2" at 21.444,8.846 h0.25 r90
R574: PIN_NUMBER "2" at 41.623,8.911 h0.25; PIN_NUMBER "1" at 42.183,8.911 h0.25
R575: PIN_NUMBER "1" at 38.698,8.384 h0.25 r270; PIN_NUMBER "2" at 38.698,8.944 h0.25 r270
R576: PIN_NUMBER "1" at 31.84,8.384 h0.25 r270; PIN_NUMBER "2" at 31.84,8.944 h0.25 r270
R577: PIN_NUMBER "1" at 20.613,8.85 h0.25 r90; PIN_NUMBER "2" at 20.613,8.29 h0.25 r90
R578: PIN_NUMBER "2" at 19.47,8.85 h0.25 r270; PIN_NUMBER "1" at 19.47,8.29 h0.25 r270
R579: PIN_NUMBER "2" at 43.472,8.138 h0.25; PIN_NUMBER "1" at 44.032,8.138 h0.25
R580: PIN_NUMBER "2" at 65.837,22.834 h0.25 r180; PIN_NUMBER "1" at 65.277,22.834 h0.25 r180
R581: PIN_NUMBER "1" at 62.67,6.425 h0.25 r270; PIN_NUMBER "2" at 62.67,6.984 h0.25 r270
R583: PIN_NUMBER "1" at 52.041,7.739 h0.25 r90; PIN_NUMBER "2" at 52.041,6.759 h0.25 r90
R584: PIN_NUMBER "1" at 27.37,6.939 h0.25 r270; PIN_NUMBER "2" at 27.37,7.498 h0.25 r270
R585: PIN_NUMBER "2" at 61.185,6.925 h0.25 r90; PIN_NUMBER "1" at 61.185,7.485 h0.25 r90
R586: PIN_NUMBER "2" at 59.001,6.925 h0.25 r90; PIN_NUMBER "1" at 59.001,7.485 h0.25 r90
R587: PIN_NUMBER "2" at 56.74,6.925 h0.25 r90; PIN_NUMBER "1" at 56.74,7.485 h0.25 r90
R589: PIN_NUMBER "1" at 50.771,7.618 h0.25 r90; PIN_NUMBER "2" at 50.771,6.638 h0.25 r90
R590: PIN_NUMBER "1" at 49.501,7.618 h0.25 r90; PIN_NUMBER "2" at 49.501,6.638 h0.25 r90
R591: PIN_NUMBER "1" at 47.672,7.618 h0.25 r90; PIN_NUMBER "2" at 47.672,6.638 h0.25 r90
R592: PIN_NUMBER "1" at 31.333,6.97 h0.25; PIN_NUMBER "2" at 30.773,6.97 h0.25
R593: PIN_NUMBER "1" at 12.456,7.179 h0.25 r180; PIN_NUMBER "2" at 13.436,7.179 h0.25 r180
R594: PIN_NUMBER "1" at 60.169,7.485 h0.25 r90; PIN_NUMBER "2" at 60.169,6.505 h0.25 r90
R595: PIN_NUMBER "1" at 57.985,7.485 h0.25 r90; PIN_NUMBER "2" at 57.985,6.505 h0.25 r90
R596: PIN_NUMBER "1" at 55.724,7.485 h0.25 r90; PIN_NUMBER "2" at 55.724,6.505 h0.25 r90
R597: PIN_NUMBER "1" at 53.463,7.485 h0.25 r90; PIN_NUMBER "2" at 53.463,6.505 h0.25 r90
R598: PIN_NUMBER "2" at 65.837,21.945 h0.25 r180; PIN_NUMBER "1" at 65.277,21.945 h0.25 r180
R599: PIN_NUMBER "1" at 17.027,6.445 h0.25; PIN_NUMBER "2" at 16.468,6.445 h0.25
R600: PIN_NUMBER "2" at 61.781,6.984 h0.25 r270; PIN_NUMBER "1" at 61.781,6.425 h0.25 r270
R601: PIN_NUMBER "1" at 15.686,6.539 h0.25 r90; PIN_NUMBER "2" at 15.686,5.979 h0.25 r90
R602: PIN_NUMBER "2" at 14.555,6.539 h0.25 r270; PIN_NUMBER "1" at 14.555,5.979 h0.25 r270
R603: PIN_NUMBER "2" at 35.515,5.624 h0.25 r180; PIN_NUMBER "1" at 34.955,5.624 h0.25 r180
R604: PIN_NUMBER "2" at 40.714,5.579 h0.25 r270; PIN_NUMBER "1" at 40.714,4.599 h0.25 r270
R605: PIN_NUMBER "1" at 31.052,2.727 h0.25 r180; PIN_NUMBER "2" at 31.612,2.727 h0.25 r180
R606: PIN_NUMBER "2" at 27.103,1.675 h0.25 r270; PIN_NUMBER "1" at 27.103,1.115 h0.25 r270
R607: PIN_NUMBER "1" at 31.052,1.458 h0.25 r180; PIN_NUMBER "2" at 31.612,1.458 h0.25 r180
R608: PIN_NUMBER "1" at 39.461,0.696 h0.25; PIN_NUMBER "2" at 38.901,0.696 h0.25
R609: PIN_NUMBER "1" at 28.259,0.823 h0.25 r90; PIN_NUMBER "2" at 28.259,0.264 h0.25 r90
R610: PIN_NUMBER "1" at 40.781,-1.191 h0.25 r270; PIN_NUMBER "2" at 40.781,-0.211 h0.25 r270
R611: PIN_NUMBER "1" at 27.776,-1.337 h0.25 r270; PIN_NUMBER "2" at 27.776,-0.777 h0.25 r270
R612: PIN_NUMBER "1" at 3.987,13.625 h0.25; PIN_NUMBER "2" at 2.087,13.625 h0.25
R614: PIN_NUMBER "2" at 38.056,33.335 h0.25 r180; PIN_NUMBER "1" at 39.036,33.335 h0.25 r180
R616: PIN_NUMBER "1" at 2.915,66.988 h0.25 r270; PIN_NUMBER "2" at 2.915,67.968 h0.25 r270
R617: PIN_NUMBER "2" at 1.16,60.662 h0.25 r270; PIN_NUMBER "1" at 1.16,61.642 h0.25 r270
R625: PIN_NUMBER "1" at 11.075,30.819 h0.25 r180; PIN_NUMBER "2" at 11.635,30.819 h0.25 r180
R641: PIN_NUMBER "1" at 27.788,25.954 h0.25; PIN_NUMBER "2" at 27.228,25.954 h0.25
R642: PIN_NUMBER "2" at 27.788,25.446 h0.25 r180; PIN_NUMBER "1" at 27.228,25.446 h0.25 r180
R643: PIN_NUMBER "2" at 26.086,22.779 h0.25 r180; PIN_NUMBER "1" at 25.526,22.779 h0.25 r180
R645: PIN_NUMBER "2" at 25.574,25.212 h0.25 r90; PIN_NUMBER "1" at 25.574,24.232 h0.25 r90
R646: PIN_NUMBER "1" at 23.277,24.105 h0.25; PIN_NUMBER "2" at 24.257,24.105 h0.25
R647: PIN_NUMBER "2" at 62.094,69.083 h0.25; PIN_NUMBER "1" at 62.654,69.083 h0.25
R648: PIN_NUMBER "1" at 63.841,69.337 h0.25 r180; PIN_NUMBER "2" at 64.821,69.337 h0.25 r180
R649: PIN_NUMBER "2" at 64.051,68.067 h0.25; PIN_NUMBER "1" at 64.611,68.067 h0.25
R650: PIN_NUMBER "1" at 60.859,68.428 h0.25 r180; PIN_NUMBER "2" at 60.299,68.428 h0.25 r180
R654: PIN_NUMBER "1" at 29.888,107.675 h0.25 r90; PIN_NUMBER "2" at 29.888,107.116 h0.25 r90
R655: PIN_NUMBER "2" at 51.221,46.372 h0.25; PIN_NUMBER "1" at 51.78,46.372 h0.25
R656: PIN_NUMBER "1" at 54.779,41.619 h0.25 r270; PIN_NUMBER "2" at 54.779,42.599 h0.25 r270
R657: PIN_NUMBER "1" at 46.472,131.518 h0.25 r270; PIN_NUMBER "2" at 46.472,130.958 h0.25 r270
R658: PIN_NUMBER "2" at 45.964,131.518 h0.25 r90; PIN_NUMBER "1" at 45.964,130.958 h0.25 r90
R659: PIN_NUMBER "1" at 43.56,134.842 h0.25 r90; PIN_NUMBER "2" at 43.56,134.282 h0.25 r90
R660: PIN_NUMBER "2" at 17.036,129.582 h0.25; PIN_NUMBER "1" at 16.476,129.582 h0.25
R661: PIN_NUMBER "1" at 43.345,134.916 h0.25 r270; PIN_NUMBER "2" at 43.345,134.357 h0.25 r270
R662: PIN_NUMBER "1" at 42.047,123.973 h0.25 r90; PIN_NUMBER "2" at 42.047,124.532 h0.25 r90
R663: PIN_NUMBER "2" at 42.837,134.916 h0.25 r90; PIN_NUMBER "1" at 42.837,134.357 h0.25 r90
R664: PIN_NUMBER "1" at 41.821,134.916 h0.25 r270; PIN_NUMBER "2" at 41.821,134.357 h0.25 r270
R665: PIN_NUMBER "1" at 39.761,123.973 h0.25 r90; PIN_NUMBER "2" at 39.761,124.532 h0.25 r90
R666: PIN_NUMBER "1" at 41.059,134.916 h0.25 r270; PIN_NUMBER "2" at 41.059,134.357 h0.25 r270
R667: PIN_NUMBER "1" at 40.297,134.916 h0.25 r270; PIN_NUMBER "2" at 40.297,134.357 h0.25 r270
R668: PIN_NUMBER "1" at 40.523,123.973 h0.25 r90; PIN_NUMBER "2" at 40.523,124.532 h0.25 r90
R669: PIN_NUMBER "1" at 41.285,123.973 h0.25 r90; PIN_NUMBER "2" at 41.285,124.532 h0.25 r90
R670: PIN_NUMBER "2" at 0.958,65.02 h0.25 r270; PIN_NUMBER "1" at 0.958,64.04 h0.25 r270
R671: PIN_NUMBER "1" at 59.921,125.812 h0.25 r90; PIN_NUMBER "2" at 59.921,124.832 h0.25 r90
R672: PIN_NUMBER "1" at 56.073,94.926 h0.25 r270; PIN_NUMBER "2" at 56.073,94.366 h0.25 r270
R673: PIN_NUMBER "2" at 58.284,99.884 h0.25 r180; PIN_NUMBER "1" at 59.264,99.884 h0.25 r180
R674: PIN_NUMBER "2" at 56.461,101.892 h0.25 r90; PIN_NUMBER "1" at 56.461,100.912 h0.25 r90
R684: PIN_NUMBER "1" at 56.612,41.644 h0.25 r270; PIN_NUMBER "2" at 56.612,42.204 h0.25 r270
R685: PIN_NUMBER "1" at 59.058,24.627 h0.25; PIN_NUMBER "2" at 58.498,24.627 h0.25
R686: PIN_NUMBER "1" at 57.307,14.853 h0.25 r270; PIN_NUMBER "2" at 57.307,15.413 h0.25 r270
R687: PIN_NUMBER "1" at 58.196,14.853 h0.25 r270; PIN_NUMBER "2" at 58.196,15.413 h0.25 r270
R688: PIN_NUMBER "1" at 63.138,24.768 h0.25 r180; PIN_NUMBER "2" at 63.697,24.768 h0.25 r180
R689: PIN_NUMBER "1" at 57.276,21.945 h0.25 r180; PIN_NUMBER "2" at 57.836,21.945 h0.25 r180
R690: PIN_NUMBER "1" at 57.276,22.834 h0.25 r180; PIN_NUMBER "2" at 57.836,22.834 h0.25 r180
R691: PIN_NUMBER "1" at 55.778,18.034 h0.25 r180; PIN_NUMBER "2" at 56.338,18.034 h0.25 r180
R692: PIN_NUMBER "2" at 57.792,17.018 h0.25 r180; PIN_NUMBER "1" at 56.812,17.018 h0.25 r180
R693: PIN_NUMBER "2" at 56.546,24.627 h0.25; PIN_NUMBER "1" at 57.526,24.627 h0.25
R694: PIN_NUMBER "2" at 65.635,24.641 h0.25 r180; PIN_NUMBER "1" at 64.655,24.641 h0.25 r180
R695: PIN_NUMBER "2" at 53.129,36.577 h0.25 r90; PIN_NUMBER "1" at 53.129,36.017 h0.25 r90
R696: PIN_NUMBER "1" at 53.764,36.577 h0.25 r270; PIN_NUMBER "2" at 53.764,36.017 h0.25 r270
R697: PIN_NUMBER "2" at 51.338,38.995 h0.25 r270; PIN_NUMBER "1" at 51.338,38.435 h0.25 r270
R698: PIN_NUMBER "2" at 52.227,38.995 h0.25 r270; PIN_NUMBER "1" at 52.227,38.435 h0.25 r270
RA1: PIN_NUMBER "1" at 37.093,109.123 h0.25 r180; PIN_NUMBER "2" at 36.693,109.123 h0.25 r180; PIN_NUMBER "4" at 35.894,109.123 h0.25 r180; PIN_NUMBER "3" at 36.294,109.123 h0.25 r180; PIN_NUMBER "8" at 37.093,108.573 h0.25 r180; PIN_NUMBER "7" at 36.693,108.573 h0.25 r180; PIN_NUMBER "5" at 35.894,108.573 h0.25 r180; PIN_NUMBER "6" at 36.294,108.573 h0.25 r180; Top Overlay "8" at 37.128,107.391 h0.51; Top Overlay "5" at 35.858,107.391 h0.51; Top Overlay "4" at 35.731,109.804 h0.51
RA2: PIN_NUMBER "4" at 33.862,109.123 h0.25 r180; PIN_NUMBER "1" at 35.061,109.123 h0.25 r180; PIN_NUMBER "2" at 34.661,109.123 h0.25 r180; PIN_NUMBER "3" at 34.262,109.123 h0.25 r180; PIN_NUMBER "6" at 34.262,108.573 h0.25 r180; PIN_NUMBER "5" at 33.862,108.573 h0.25 r180; PIN_NUMBER "7" at 34.661,108.573 h0.25 r180; PIN_NUMBER "8" at 35.061,108.573 h0.25 r180; Top Overlay "8" at 34.969,107.391 h0.51; Top Overlay "5" at 33.699,107.391 h0.51; Top Overlay "4" at 33.826,109.931 h0.51
RA3: PIN_NUMBER "8" at 28.743,106.909 h0.25 r180; PIN_NUMBER "3" at 27.943,107.459 h0.25 r180; PIN_NUMBER "4" at 27.543,107.459 h0.25 r180; PIN_NUMBER "5" at 27.543,106.909 h0.25 r180; PIN_NUMBER "6" at 27.943,106.909 h0.25 r180; PIN_NUMBER "7" at 28.343,106.909 h0.25 r180; PIN_NUMBER "1" at 28.743,107.459 h0.25 r180; PIN_NUMBER "2" at 28.343,107.459 h0.25 r180; Top Overlay "8" at 28.715,105.625 h0.51; Top Overlay "5" at 27.445,105.625 h0.51; Top Overlay "4" at 27.445,108.165 h0.51
RA4: PIN_NUMBER "4" at 29.826,107.459 h0.25 r180; PIN_NUMBER "1" at 31.026,107.459 h0.25 r180; PIN_NUMBER "7" at 30.626,106.909 h0.25 r180; PIN_NUMBER "8" at 31.026,106.909 h0.25 r180; PIN_NUMBER "6" at 30.226,106.909 h0.25 r180; PIN_NUMBER "5" at 29.826,106.909 h0.25 r180; PIN_NUMBER "3" at 30.226,107.459 h0.25 r180; PIN_NUMBER "2" at 30.626,107.459 h0.25 r180; Top Overlay "8" at 31.004,105.625 h0.51; Top Overlay "5" at 29.734,105.625 h0.51; Top Overlay "4" at 29.607,108.165 h0.51
SW1: PIN_NUMBER "5" at 32.018,26.502 h0.25 r180; PIN_NUMBER "8" at 28.208,26.502 h0.25 r180; PIN_NUMBER "15" at 35.726,18.882 h0.25 r180; PIN_NUMBER "4" at 33.288,26.502 h0.25 r180; PIN_NUMBER "3" at 34.558,26.502 h0.25 r180; PIN_NUMBER "7" at 29.478,26.502 h0.25 r180; PIN_NUMBER "16" at 36.996,18.882 h0.25 r180; PIN_NUMBER "13" at 33.186,18.882 h0.25 r180; PIN_NUMBER "1" at 37.098,26.502 h0.25 r180; PIN_NUMBER "6" at 30.748,26.502 h0.25 r180; PIN_NUMBER "2" at 35.828,26.502 h0.25 r180; PIN_NUMBER "14" at 34.456,18.882 h0.25 r180; PIN_NUMBER "12" at 31.916,18.882 h0.25 r180; PIN_NUMBER "11" at 30.646,18.882 h0.25 r180; PIN_NUMBER "9" at 28.208,18.882 h0.25 r180; PIN_NUMBER "10" at 29.376,18.882 h0.25 r180; Top Overlay "16" at 37.809,18.383 h0.51; Top Overlay "9" at 27.586,18.696 h0.51 r180; Top Overlay "8" at 27.368,27.305 h0.51
SW2: PIN_NUMBER "9" at 41.67,18.882 h0.25 r180; PIN_NUMBER "2" at 49.29,26.502 h0.25 r180; PIN_NUMBER "3" at 48.02,26.502 h0.25 r180; PIN_NUMBER "10" at 42.838,18.882 h0.25 r180; PIN_NUMBER "7" at 42.94,26.502 h0.25 r180; PIN_NUMBER "12" at 45.378,18.882 h0.25 r180; PIN_NUMBER "14" at 47.918,18.882 h0.25 r180; PIN_NUMBER "1" at 50.56,26.502 h0.25 r180; PIN_NUMBER "8" at 41.67,26.502 h0.25 r180; PIN_NUMBER "16" at 50.458,18.882 h0.25 r180; PIN_NUMBER "6" at 44.21,26.502 h0.25 r180; PIN_NUMBER "5" at 45.48,26.502 h0.25 r180; PIN_NUMBER "4" at 46.75,26.502 h0.25 r180; PIN_NUMBER "15" at 49.188,18.882 h0.25 r180; PIN_NUMBER "13" at 46.648,18.882 h0.25 r180; PIN_NUMBER "11" at 44.108,18.882 h0.25 r180; Top Overlay "16" at 51.144,18.357 h0.51; Top Overlay "9" at 40.946,18.569 h0.51 r180; DISPLAY_TOP "8" at 40.667,26.155 h0.76
SW3: PIN_NUMBER "1" at 30.342,8.944 h0.25; PIN_NUMBER "4" at 30.342,14.444 h0.25; PIN_NUMBER "3" at 32.882,14.444 h0.25; PIN_NUMBER "2" at 32.882,8.944 h0.25; Top Overlay "2" at 32.92,7.334 h0.51; Top Overlay "3" at 32.793,15.589 h0.51; Top Overlay "4" at 30.126,15.589 h0.51
SW4: PIN_NUMBER "1" at 37.2,8.944 h0.25; PIN_NUMBER "4" at 37.2,14.444 h0.25; PIN_NUMBER "3" at 39.74,14.444 h0.25; PIN_NUMBER "2" at 39.74,8.944 h0.25; Top Overlay "2" at 39.778,7.334 h0.51; Top Overlay "3" at 39.651,15.589 h0.51; Top Overlay "4" at 34.926,13.938 h0.51
TP1: PIN_NUMBER "1" at 60.354,141.48 h0.25
TP2: PIN_NUMBER "1" at 58.932,140.388 h0.25
TP3: PIN_NUMBER "1" at 61.788,140.296 h0.25
TP4: PIN_NUMBER "1" at 69.332,130.289 h0.25
TP5: PIN_NUMBER "1" at 49.663,130.399 h0.25
TP6: PIN_NUMBER "1" at 50.958,130.399 h0.25
TP7: PIN_NUMBER "1" at 69.332,129.247 h0.25
TP8: PIN_NUMBER "1" at 69.332,128.206 h0.25
TP9: PIN_NUMBER "1" at 69.332,127.19 h0.25
TP10: PIN_NUMBER "1" at 37.907,116.912 h0.25
TP11: PIN_NUMBER "1" at 57.281,114.683 h0.25
TP12: PIN_NUMBER "1" at 53.343,114.586 h0.25
TP13: PIN_NUMBER "1" at 54.359,114.586 h0.25
TP14: PIN_NUMBER "1" at 6.847,110.202 h0.25 r270
TP15: PIN_NUMBER "1" at 59.414,111.045 h0.25
TP16: PIN_NUMBER "1" at 8.057,110.18 h0.25 r270
TP17: PIN_NUMBER "1" at 57.484,109.527 h0.25
TP18: PIN_NUMBER "1" at 9.581,108.885 h0.25 r270
TP19: PIN_NUMBER "1" at 60.547,110.652 h0.25
TP20: PIN_NUMBER "1" at 55.274,103.1 h0.25
TP21: PIN_NUMBER "1" at 16.384,94.836 h0.25
TP22: PIN_NUMBER "1" at 55.401,93.296 h0.25
TP23: PIN_NUMBER "1" at 53.343,92.742 h0.25
TP24: PIN_NUMBER "1" at 54.359,92.742 h0.25
TP25: PIN_NUMBER "1" at 19.949,91.721 h0.25
TP26: PIN_NUMBER "1" at 59.363,91.543 h0.25
TP27: PIN_NUMBER "1" at 59.414,89.283 h0.25
TP28: PIN_NUMBER "1" at 23.333,83.332 h0.25
TP29: PIN_NUMBER "1" at 7.687,82.581 h0.25
TP30: PIN_NUMBER "1" at 60.302,90.455 h0.25
TP31: PIN_NUMBER "1" at 10.778,81.481 h0.25 r180
TP32: PIN_NUMBER "1" at 55.697,79.636 h0.25
TP33: PIN_NUMBER "1" at 59.869,79.14 h0.25 r180
TP34: PIN_NUMBER "1" at -0.904,77.299 h0.25 r270
TP35: PIN_NUMBER "1" at 33.883,77.311 h0.25 r180; PROC101E2 TMDS64GPEVM_T "TP15" at 33.644,77.607 h0.76 r180
TP36: PIN_NUMBER "1" at 14.348,76.759 h0.25 r90
TP37: PIN_NUMBER "1" at 2.594,75.464 h0.25
TP38: PIN_NUMBER "1" at 6.595,74.563 h0.25
TP39: PIN_NUMBER "1" at 7.41,70.034 h0.25 r270
TP40: PIN_NUMBER "1" at 18.197,64.997 h0.25 r180
TP41: PIN_NUMBER "1" at 7.351,96.561 h0.25
TP42: PIN_NUMBER "1" at 48.545,63.832 h0.25
TP43: PIN_NUMBER "1" at 41.939,63.763 h0.25
TP45: PIN_NUMBER "1" at 24.637,59.48 h0.25 r180
TP46: PIN_NUMBER "1" at 30.509,58.549 h0.25
TP49: PIN_NUMBER "1" at 70.001,45.437 h0.25 r180
TP50: PIN_NUMBER "1" at 69.189,44.57 h0.25 r180
TP51: PIN_NUMBER "1" at 39.824,29.21 h0.25 r90
TP52: PIN_NUMBER "1" at 73.761,43.094 h0.25 r180
TP53: PIN_NUMBER "1" at 74.878,43.094 h0.25 r180
TP54: PIN_NUMBER "1" at 68.234,42.939 h0.25 r180
TP55: PIN_NUMBER "1" at 69.234,42.939 h0.25 r180
TP56: PIN_NUMBER "1" at 79.008,41.587 h0.25
TP57: PIN_NUMBER "1" at 41.736,-2.487 h0.25
TP58: PIN_NUMBER "1" at 44.276,-2.487 h0.25
TP59: PIN_NUMBER "1" at 79.008,39.047 h0.25
TP60: PIN_NUMBER "1" at 25.988,0.747 h0.25